# Altium PCB 脑电采集板V5.0.PcbDoc (part 1 of 2) (continued)
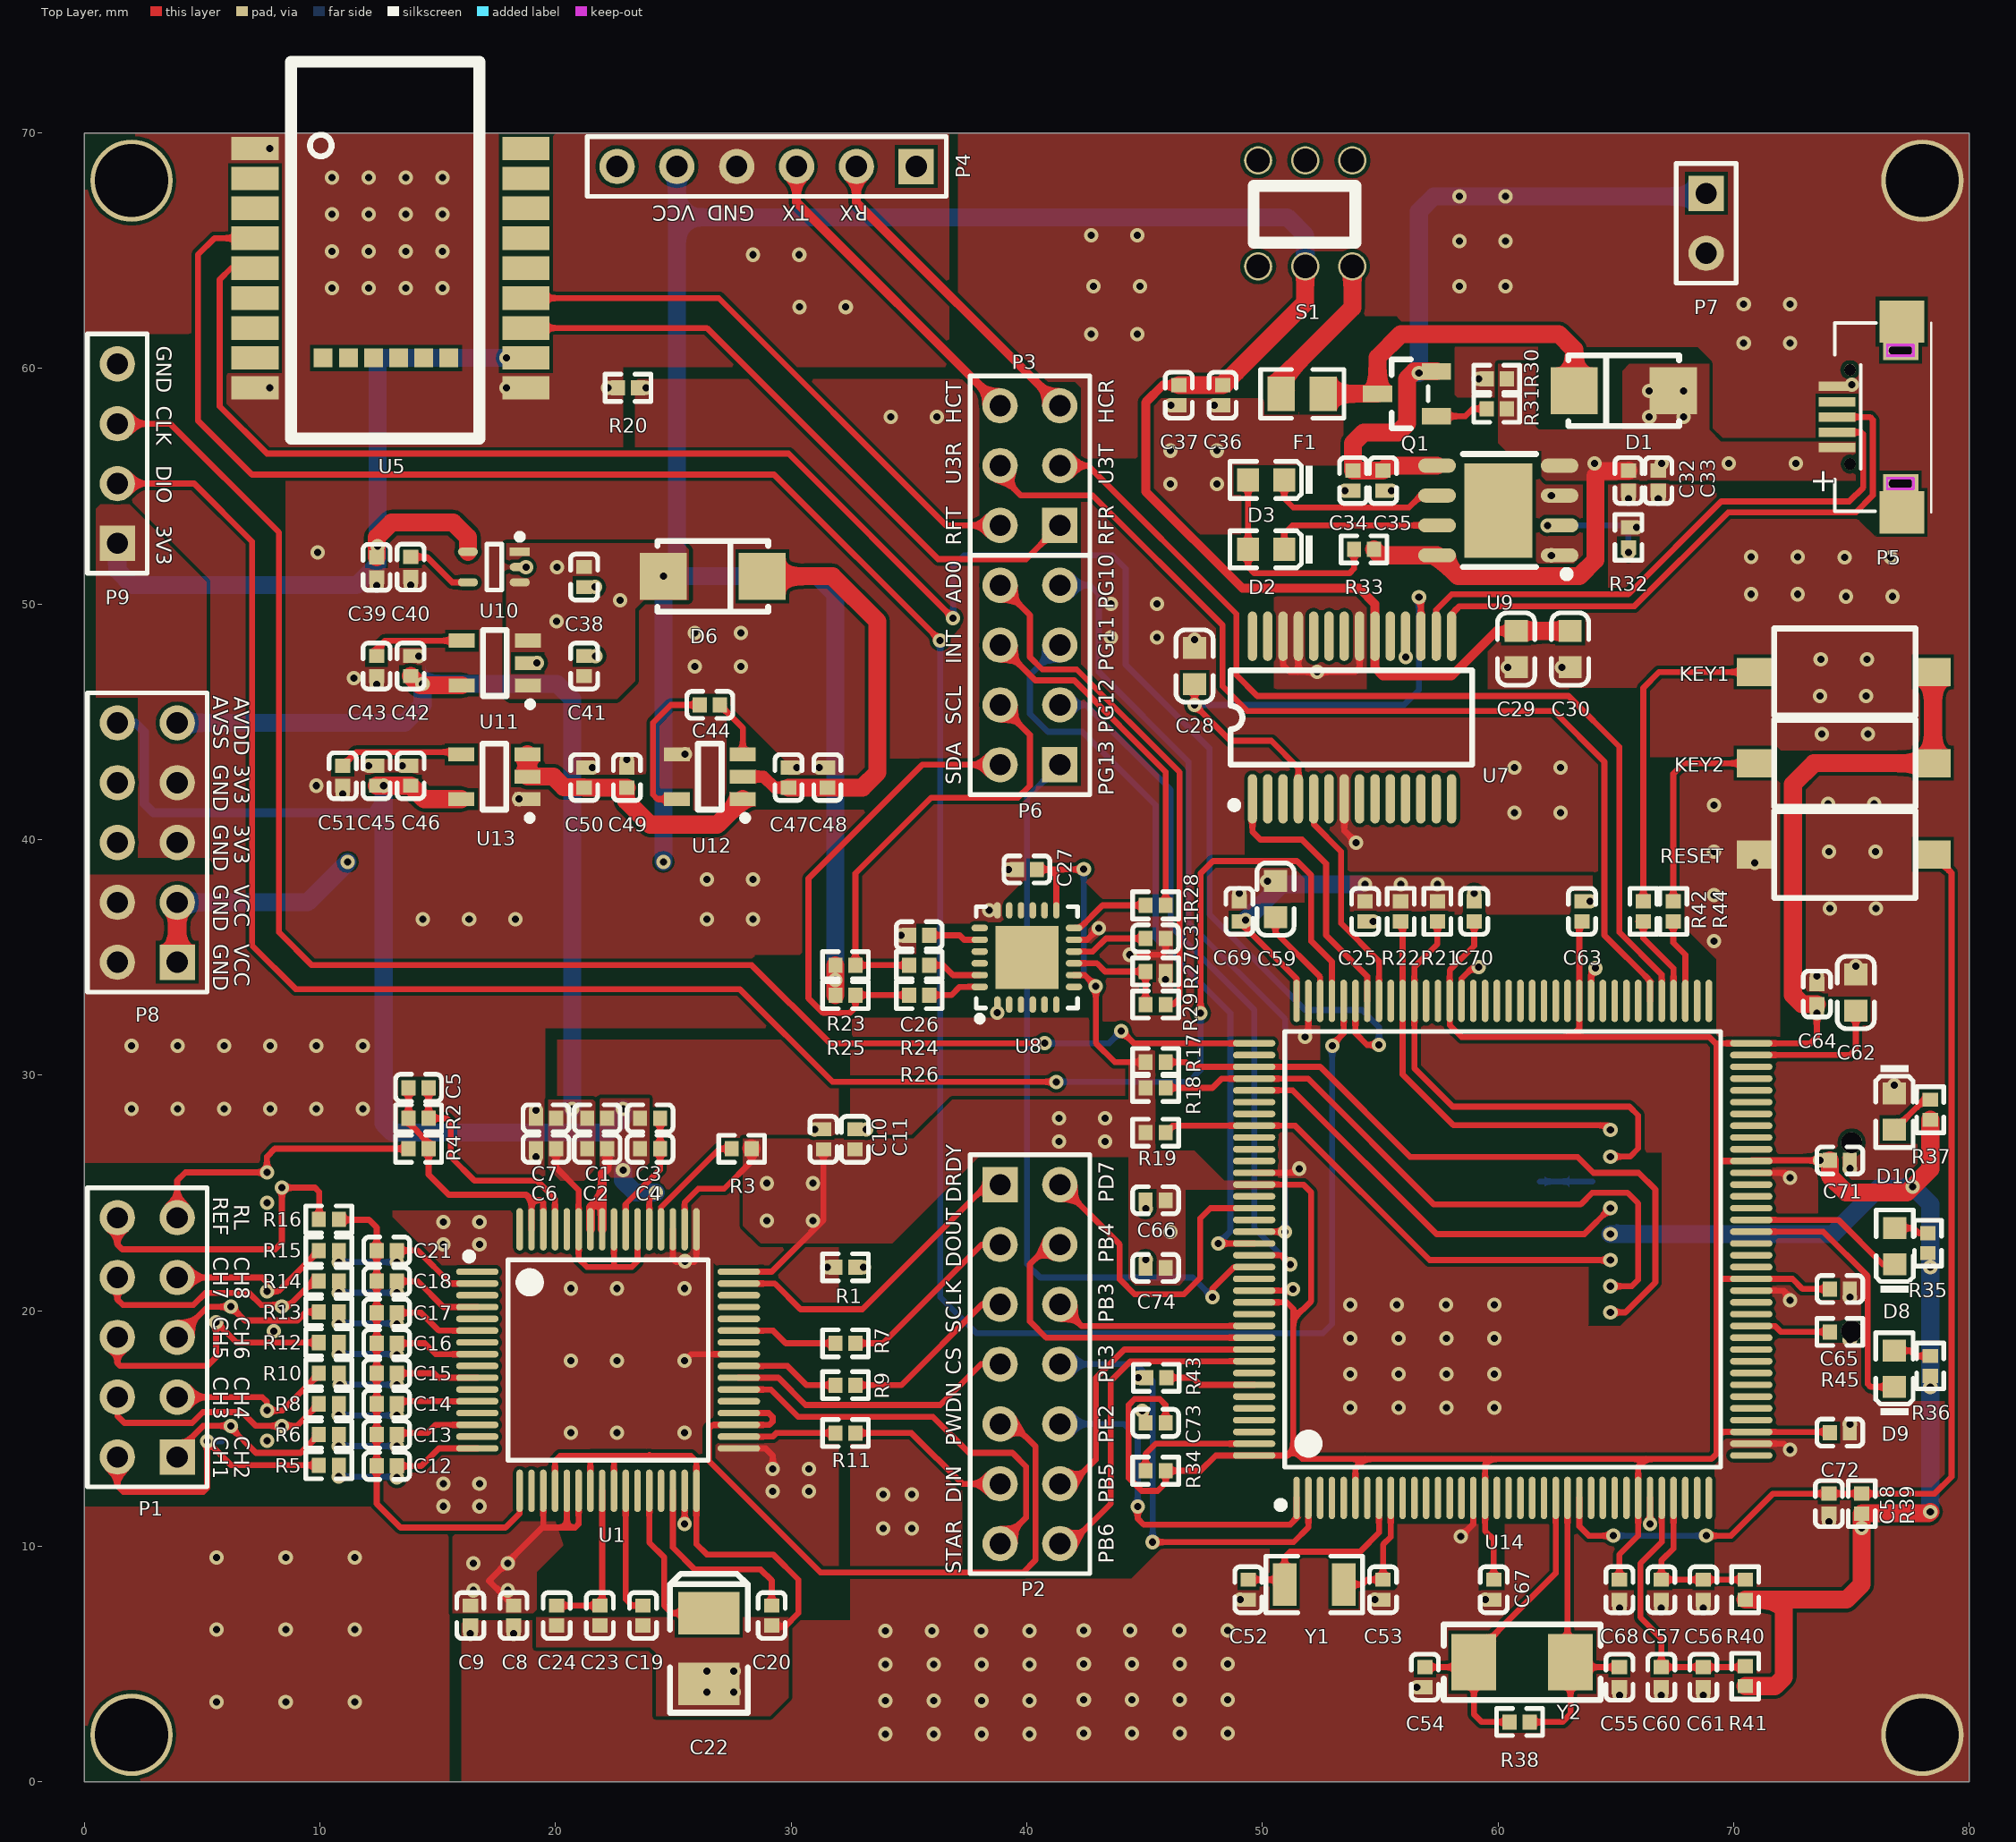
[diagram p0: Top Layer view]
## Footprints (in the part's own frame and the unit in brackets; to place one, negate y for a bottom-side part, rotate by r counter-clockwise, add the part's x,y. Pads: shape width x height; smd on the part's side, far side on the other; paste and mask are expansions set on the pad) (continued)
  oval 1.8x0.28 smd mask+0.051: 37(10.55,-8.75) 38(10.55,-8.25) 39(10.55,-7.75) 40(10.55,-7.25) 41(10.55,-6.75) 42(10.55,-6.25) 43(10.55,-5.75) 44(10.55,-5.25) 45(10.55,-4.75) 46(10.55,-4.25) 47(10.55,-3.75) 48(10.55,-3.25) 49(10.55,-2.75) 50(10.55,-2.25) 51(10.55,-1.75) 52(10.55,-1.25) 53(10.55,-0.75) 54(10.55,-0.25) 55(10.55,0.25) 56(10.55,0.75) 57(10.55,1.25) 58(10.55,1.75) 59(10.55,2.25) 60(10.55,2.75) 61(10.55,3.25) 62(10.55,3.75) 63(10.55,4.25) 64(10.55,4.75) 65(10.55,5.25) 66(10.55,5.75) 67(10.55,6.25) 68(10.55,6.75) 69(10.55,7.25) 70(10.55,7.75) 71(10.55,8.25) 72(10.55,8.75) 109(-10.55,8.75) 110(-10.55,8.25) 111(-10.55,7.75) 112(-10.55,7.25) 113(-10.55,6.75) 114(-10.55,6.25) 115(-10.55,5.75) 116(-10.55,5.25) 117(-10.55,4.75) 118(-10.55,4.25) 119(-10.55,3.75) 120(-10.55,3.25) 121(-10.55,2.75) 122(-10.55,2.25) 123(-10.55,1.75) 124(-10.55,1.25) 125(-10.55,0.75) 126(-10.55,0.25) 127(-10.55,-0.25) 128(-10.55,-0.75) 129(-10.55,-1.25) 130(-10.55,-1.75) 131(-10.55,-2.25) 132(-10.55,-2.75) 133(-10.55,-3.25) 134(-10.55,-3.75) 135(-10.55,-4.25) 136(-10.55,-4.75) 137(-10.55,-5.25) 138(-10.55,-5.75) 139(-10.55,-6.25) 140(-10.55,-6.75) 141(-10.55,-7.25) 142(-10.55,-7.75) 143(-10.55,-8.25) 144(-10.55,-8.75)
  silkscreen extent -9.57,-11 9.25,9.25
MICRO-USB [mm]
  rect 0.4x1.55 smd: 1(-1.3,2.2) 2(-0.65,2.2) 3(0,2.2) 4(0.65,2.2) 5(1.3,2.2)
  rect 1.8x1.9 smd: 6(-4.05,-0.55) 6(4.05,-0.55)
  rect 0.8x1.5 hole 0.4 slot 1 at 90 deg: 6(-2.825,-0.5) 6(2.825,-0.5)
  round 0.5 hole 0.5 unplated: ""(-2,1.65) ""(2,1.65)
  Keep-Out Layer lines w0.127: -3.054,0.075 -3.054,-1.043 -2.596,-1.043 -2.596,0.075 -3.054,0.075 ; 2.596,0.075 2.596,-1.043 3.054,-1.043 3.054,0.075 2.596,0.075
  silkscreen extent -4.05,-1.8 4,2.3, body extent -4.03,-3.3 4.03,2.28, height 3.13
nRF52832 [mm]
  rect 2x1 smd: 1(4.826,-4.699) 2(4.826,-3.429) 3(4.826,-2.159) 4(4.826,-0.889) 5(4.826,0.381) 6(4.826,1.651) 7(4.826,2.921) 8(4.826,4.191) 9(4.826,5.461) 16(-6.674,5.461) 17(-6.674,4.191) 18(-6.674,2.921) 19(-6.674,1.651) 20(-6.674,0.381) 21(-6.674,-0.889) 22(-6.674,-2.159) 23(-6.674,-3.429) 24(-6.674,-4.699)
  rect 0.8x0.8 smd: 10(1.93,4.191) 11(0.864,4.191) 12(-0.203,4.191) 13(-1.27,4.191) 14(-2.337,4.191) 15(-3.404,4.191)
  silkscreen extent -4.7,-8.38 3.3,7.62
QFN-24_4x4x05P [mm]
  rect 2.68x2.68 smd mask+0.051: 0(0,0)
  oval 0.28x0.7 smd mask+0.051: 1(-1.25,-2) 2(-0.75,-2) 3(-0.25,-2) 4(0.25,-2) 5(0.75,-2) 6(1.25,-2) 13(1.25,2) 14(0.75,2) 15(0.25,2) 16(-0.25,2) 17(-0.75,2) 18(-1.25,2)
  oval 0.7x0.28 smd mask+0.051: 7(2,-1.25) 8(2,-0.75) 9(2,-0.25) 10(2,0.25) 11(2,0.75) 12(2,1.25) 19(-2,1.25) 20(-2,0.75) 21(-2,0.25) 22(-2,-0.25) 23(-2,-0.75) 24(-2,-1.25)
  silkscreen extent -2.15,-2.72 2.15,2.15
SC-70-5 [mm]
  rect 0.85x0.35 smd: 1(0,0)
  oval 0.85x0.35 smd: 2(0,0.65) 3(0,1.3) 4(2.2,1.3) 5(2.2,0)
  silkscreen extent -0.13,-0.76 1.4,1.63
SMA(DO-214AC)_S1 [mm]
  rect 2x2 smd: 1(2.1,0) 2(-2.1,0)
  silkscreen extent -2.35,-1.5 2.35,1.5
"SMD-3215_2P FC - 135" [mm]
  rect 1x1.8 smd: 1(-1.25,0) 2(1.25,0)
  silkscreen extent -2.05,-1.2 2.05,1.2
SMD-5032_2P [mm]
  rect 1.9x2.4 smd: 1(-2.05,0) 2(2.05,0)
  silkscreen extent -3.32,-1.6 3.32,1.6
SOD-123 [mm]
  rect 1.25x1 smd: 1(1.475,0) 2(-1.475,0)
  silkscreen extent -0.5,-0.7 0.5,0.7, body extent -1.85,-0.77 1.85,0.78, height 1.35
SOP-8_EP_150mil [mm]
  rect 4x2.9 smd: 0(0,0)
  oval 0.6x1.6 smd: 1(-1.905,-2.6) 2(-0.635,-2.6) 3(0.635,-2.6) 4(1.905,-2.6) 5(1.905,2.6) 6(0.635,2.6) 7(-0.635,2.6) 8(-1.905,2.6)
  silkscreen extent -2.85,-3.05 2.4,1.5
SOT-23(SOT-23-3) [mm]
  rect 1.25x0.7 smd: 1(1.25,-0.95) 2(1.25,0.95) 3(-1.25,0)
  silkscreen extent -0.65,-1.46 0.9,1.46, body extent -1.5,-1.5 1.5,1.5, height 1.3
SOT-23-5 [mm]
  rect 1.1x0.6 smd: 1(1.4,-0.95) 2(1.4,0) 3(1.4,0.95) 4(-1.4,0.95) 5(-1.4,-0.95)
  silkscreen extent -0.5,-1.87 1.63,1.4
SSOP-28_208mil [mm]
  oval 0.4x2.1 smd mask+0.051: 1(-4.225,-3.45) 2(-3.575,-3.45) 3(-2.925,-3.45) 4(-2.275,-3.45) 5(-1.625,-3.45) 6(-0.975,-3.45) 7(-0.325,-3.45) 8(0.325,-3.45) 9(0.975,-3.45) 10(1.625,-3.45) 11(2.275,-3.45) 12(2.925,-3.45) 13(3.575,-3.45) 14(4.225,-3.45) 15(4.225,3.45) 16(3.575,3.45) 17(2.925,3.45) 18(2.275,3.45) 19(1.625,3.45) 20(0.975,3.45) 21(0.325,3.45) 22(-0.325,3.45) 23(-0.975,3.45) 24(-1.625,3.45) 25(-2.275,3.45) 26(-2.925,3.45) 27(-3.575,3.45) 28(-4.225,3.45)
  silkscreen extent -5.15,-3.86 5.1,2
TF_1 [mm]
  round 0.9 hole 0.9 unplated: 0(-0.8,11) 0(7.2,11)
  rect 0.85x2 smd: 1(0,0)
  rect 0.8x2 smd: 2(1.15,0) 3(2.25,0) 4(3.35,0) 5(4.45,0) 6(5.55,0) 7(6.65,0) 8(7.75,0) 9(8.85,0)
  rect 1.5x2 smd: 10(-5.5,10.6) 12(10.45,1)
  rect 2x2 smd: 11(-4.8,1)
  rect 1.4x2 smd: 13(10,10.6)
  silkscreen extent -4.87,0.36 9.49,16, body extent -5.85,0 10.25,15, height 1.85
TPD4 [mm]
  rect 0.85x0.35 smd: 1(0,0)
  oval 0.85x0.35 smd: 2(0,-0.65) 3(0,-1.3) 4(2.2,-1.3) 5(2.2,-0.65) 6(2.2,0)
  silkscreen extent -0.13,-1.63 1.4,0.76

## Part data
C1 C2 C3 C4 C5 C6 C7 C8 C9 C10 C11 C19 C20 C24 C46 C48 C50: library part "0603 10nF (103) 10% 50V", "贴片电容", Package=0603, SuppliersPartNumber=C57112, ComponentLink1Description=¹©Ó, ComponentLink1URL=http://www.szlcsc.com/product/details_58143.html, Supplier=LC
C12 C13 C14 C15 C16 C17 C18 C21: library part "0402 1nF (102) 10% 50V", "贴片电容", Package=0402, SuppliersPartNumber=C1523, ComponentLink1Description=¹©Ó, ComponentLink1URL=http://www.szlcsc.com/product/details_1875.html, Supplier=LC
C22: library part "3528 100uF (107) 10% 6.3V", "钽电容", Package=3528, SuppliersPartNumber=C16133, ComponentLink1Description=¹©Ó, ComponentLink1URL=http://www.szlcsc.com/product/details_16815.html, Supplier=LC
C23 C56 C60: library part "0603 10uF (106) 10% 10V", "贴片电容", Package=0603, SuppliersPartNumber=C19702, ComponentLink1Description=¹©Ó, ComponentLink1URL=http://www.szlcsc.com/product/details_20411.html, Supplier=LC
C25 C27 C31 C32 C35 C36: library part "0402 100nF (104) 10% 16V", "贴片电容", Package=0402, SuppliersPartNumber=C1525, ComponentLink1Description=¹©Ó, ComponentLink1URL=http://www.szlcsc.com/product/details_1877.html, Supplier=LC
C26 C33 C34 C37: library part "0402 10uF (106) 20% 6.3V", "贴片电容", Package=0402, SuppliersPartNumber=C15525, ComponentLink1Description=¹©Ó, ComponentLink1URL=http://www.szlcsc.com/product/details_16204.html, Supplier=LC
C28 C29 C57 C58 C61 C63 C64 C65 C66 C67 C68 C69 C70 C71 C72 C73 C74: library part "0603 100nF (104) 10% 50V", "贴片电容", Package=0603, SuppliersPartNumber=C14663, ComponentLink1Description=¹©Ó, ComponentLink1URL=http://www.szlcsc.com/product/details_15331.html, Supplier=LC
C30: library part "0603 4.7uF (475) 10% 16V", "贴片电容", Package=0603, SuppliersPartNumber=C19666, ComponentLink1Description=¹©Ó, ComponentLink1URL=http://www.szlcsc.com/product/details_20375.html, Supplier=LC
C38 C39 C41 C42 C44 C45 C47 C49: library part "0603 1uF (105) 10% 50V", "贴片电容", Package=0603, SuppliersPartNumber=C15849, ComponentLink1Description=¹©Ó, ComponentLink1URL=http://www.szlcsc.com/product/details_16531.html, Supplier=LC
C40 C43 C51: library part "0603 1nF (102) 10% 50V", "贴片电容", Package=0603, SuppliersPartNumber=C1588, ComponentLink1Description=¹©Ó, ComponentLink1URL=http://www.szlcsc.com/product/details_1940.html, Supplier=LC
C52 C53: library part "0603 10pF (100) 5% 50V", "贴片电容", Package=0603, SuppliersPartNumber=C1634, ComponentLink1Description=¹©Ó, ComponentLink1URL=http://www.szlcsc.com/product/details_1986.html, Supplier=LC
C54 C55: library part "0603 22pF (220) 5% 50V", "贴片电容", Package=0603, SuppliersPartNumber=C1653, ComponentLink1Description=¹©Ó, ComponentLink1URL=http://www.szlcsc.com/product/details_2005.html, Supplier=LC
C59 C62: library part "0603 2.2uF (225) 10% 16V", "贴片电容", Package=0603, SuppliersPartNumber=C23630, ComponentLink1Description=¹©Ó, ComponentLink1URL=http://www.szlcsc.com/product/details_24366.html, Supplier=LC
D1 D6: library part "SMA(DO-214AC) SS210", "二极管", Package=SMA(DO-214AC), SuppliersPartNumber=C14996, ComponentLink1Description=¹©Ó, ComponentLink1URL=http://www.szlcsc.com/product/details_15669.html, Supplier=LC
D2 D10: library part "0603 红灯", "发光二极管", Package=0603, SuppliersPartNumber=C2286, ComponentLink1Description=¹©Ó, ComponentLink1URL=http://www.szlcsc.com/product/details_2659.html, Supplier=LC
D3 D8 D9: library part "0603 绿灯", "发光二极管", Package=0603, SuppliersPartNumber=C72043, ComponentLink1Description=¹©Ó, ComponentLink1URL=http://www.szlcsc.com/product/details_73152.html, Supplier=LC
D4 D5 D7: library part "SOD-123 B5819W  SL", "肖特基二极管", Package=SOD-123, SuppliersPartNumber=C8598, ComponentLink1Description=¹©Ó, ComponentLink1URL=http://www.szlcsc.com/product/details_9093.html, Supplier=LC
F1: library part "Fuse 2", "Fuse", LatestRevisionDate=17-Jul-2002, LatestRevisionNote="Re-released for DXP Platform.", PackageDescription="Thru-Hole; 2 Leads", PackageReference=PIN-W2/E2.8, Published=8-Jun-2000, Publisher="Altium Limited"
KEY1 KEY2 RESET S1: "Switch", LatestRevisionDate=17-Jul-2002, LatestRevisionNote="Re-released for DXP Platform.", PackageDescription="Switch; 2 Leads", PackageReference=SPST-2, Published=24-Mar-1999, Publisher="Altium Limited"
P1 P8: library part "Header 5X2", "Header, 5-Pin, Dual row", LatestRevisionDate=17-Jul-2002, LatestRevisionNote="Re-released for DXP Platform.", Publisher="Altium Limited"
P2: "Header, 7-Pin, Dual row", LatestRevisionDate=17-Jul-2002, LatestRevisionNote="Re-released for DXP Platform.", Publisher="Altium Limited"
P3: library part "Header 3X2", "Header, 3-Pin, Dual row", LatestRevisionDate=17-Jul-2002, LatestRevisionNote="Re-released for DXP Platform.", Publisher="Altium Limited"
P4: library part "Header 6", "Header, 6-Pin", LatestRevisionDate=17-Jul-2002, LatestRevisionNote="Re-released for DXP Platform.", Publisher="Altium Limited"
P5: library part "Header 5", "Header, 5-Pin", LatestRevisionDate=17-Jul-2002, LatestRevisionNote="Re-released for DXP Platform.", Publisher="Altium Limited"
P6: "Header, 4-Pin, Dual row", LatestRevisionDate=17-Jul-2002, LatestRevisionNote="Re-released for DXP Platform.", Publisher="Altium Limited"
P7: library part "Header 2", "Header, 2-Pin", LatestRevisionDate=17-Jul-2002, LatestRevisionNote="Re-released for DXP Platform.", Publisher="Altium Limited"
P9: library part "Header 4", "Header, 4-Pin", LatestRevisionDate=17-Jul-2002, LatestRevisionNote="Re-released for DXP Platform.", Publisher="Altium Limited"
Q1: "MOS(场效应管)", Package=SOT-23(SOT-23-3), SuppliersPartNumber=C8492, ComponentLink1Description=¹©Ó, ComponentLink1URL=http://www.szlcsc.com/product/details_8986.html, Supplier=LC
R1 R7 R9 R11 R20: library part "0402 0Ω (0R0) 1%", "贴片电阻", Package=0402, SuppliersPartNumber=C17168, ComponentLink1Description=¹©Ó, ComponentLink1URL=http://www.szlcsc.com/product/details_17853.html, Supplier=LC
R2 R4: library part "0603 100KΩ (1003) 1%", "贴片电阻", Package=0603, SuppliersPartNumber=C25803, ComponentLink1Description=¹©Ó, ComponentLink1URL=http://www.szlcsc.com/product/details_26546.html, Supplier=LC
R3: library part "0603 10KΩ (1002) 1%", "贴片电阻", Package=0603, SuppliersPartNumber=C25804, ComponentLink1Description=¹©Ó, ComponentLink1URL=http://www.szlcsc.com/product/details_26547.html, Supplier=LC
R5 R6 R8 R10 R12 R13 R14 R15 R16: library part "0402 2.2KΩ (2201) 1%", "贴片电阻", Package=0402, SuppliersPartNumber=C25879, ComponentLink1Description=¹©Ó, ComponentLink1URL=http://www.szlcsc.com/product/details_26622.html, Supplier=LC
R17 R18 R19 R21 R22: library part "0402 47KΩ (4702) 1%", "贴片电阻", Package=0402, SuppliersPartNumber=C25792, ComponentLink1Description=¹©Ó, ComponentLink1URL=http://www.szlcsc.com/product/details_26535.html, Supplier=LC
R23 R25: library part "0402 4.7KΩ (4701) 1%", "贴片电阻", Package=0402, SuppliersPartNumber=C25900, ComponentLink1Description=¹©Ó, ComponentLink1URL=http://www.szlcsc.com/product/details_26643.html, Supplier=LC
R24 R26 R28 R29: library part "0402 120Ω (1200) 1%", "贴片电阻", Package=0402, SuppliersPartNumber=C25079, ComponentLink1Description=¹©Ó, ComponentLink1URL=http://www.szlcsc.com/product/details_25822.html, Supplier=LC
R27: library part "0402 10KΩ (1002) 1%", "贴片电阻", Package=0402, SuppliersPartNumber=C25744, ComponentLink1Description=¹©Ó, ComponentLink1URL=http://www.szlcsc.com/product/details_26487.html, Supplier=LC
R30 R31: library part "0402 100KΩ (1003) 1%", "贴片电阻", Package=0402, SuppliersPartNumber=C25741, ComponentLink1Description=¹©Ó, ComponentLink1URL=http://www.szlcsc.com/product/details_26484.html, Supplier=LC
R32: library part "0402 1.2KΩ (1201) 1%", "贴片电阻", Package=0402, SuppliersPartNumber=C25862, ComponentLink1Description=¹©Ó, ComponentLink1URL=http://www.szlcsc.com/product/details_26605.html, Supplier=LC
R33: library part "0402 1KΩ (1001) 1%", "贴片电阻", Package=0402, SuppliersPartNumber=C11702, ComponentLink1Description=¹©Ó, ComponentLink1URL=http://www.szlcsc.com/product/details_12256.html, Supplier=LC
R34: library part "0603 0Ω (0R0) 1%", "贴片电阻", Package=0603, SuppliersPartNumber=C21189, ComponentLink1Description=¹©Ó, ComponentLink1URL=http://www.szlcsc.com/product/details_21903.html, Supplier=LC
R35 R36: library part "0603 510Ω (5100) 1%", "贴片电阻", Package=0603, SuppliersPartNumber=C23193, ComponentLink1Description=¹©Ó, ComponentLink1URL=http://www.szlcsc.com/product/details_23920.html, Supplier=LC
R37: library part "0603 1KΩ (1001) 1%", "贴片电阻", Package=0603, SuppliersPartNumber=C21190, ComponentLink1Description=¹©Ó, ComponentLink1URL=http://www.szlcsc.com/product/details_21904.html, Supplier=LC
R38: library part "0603 1.2MΩ (1204) 1%", "贴片电阻", Package=0603, SuppliersPartNumber=C22766, ComponentLink1Description=¹©Ó, ComponentLink1URL=http://www.szlcsc.com/product/details_23493.html, Supplier=LC
R39 R40 R41 R42 R43 R44 R45: library part "0603 10Ω (10R0) 1%", "贴片电阻", Package=0603, SuppliersPartNumber=C22859, ComponentLink1Description=¹©Ó, ComponentLink1URL=http://www.szlcsc.com/product/details_23586.html, Supplier=LC
U7: library part FT232RL-REEL_[C8690], "USB", Package=SSOP-28_208mil, SuppliersPartNumber=C8690, ComponentLink1Description=¹©Ó, ComponentLink1URL=http://www.szlcsc.com/product/details_9194.html, Supplier=LC
U8: library part MPU-6050_[C24112], "传感器", Package=QFN-24_4x4x05P, SuppliersPartNumber=C24112, ComponentLink1Description=¹©Ó, ComponentLink1URL=http://www.szlcsc.com/product/details_24852.html, Supplier=LC
U9: library part TP4056_[C16581], "电池电源管理", Package=SOP-8_EP_150mil, SuppliersPartNumber=C16581, ComponentLink1Description=¹©Ó, ComponentLink1URL=http://www.szlcsc.com/product/details_17264.html, Supplier=LC
U14: "ARM", Package=LQFP-144_20x20x05P, SuppliersPartNumber=C46525, ComponentLink1Description=¹©Ó, ComponentLink1URL=http://www.szlcsc.com/product/details_47529.html, Supplier=LC
Y1: library part "SMD-3215_2P 32.768KHz 20ppm 12.5pF", "贴片晶振", Package=SMD-3215_2P, SuppliersPartNumber=C32346, ComponentLink1Description=¹©Ó, ComponentLink1URL=http://www.szlcsc.com/product/details_33310.html, Supplier=LC
Y2: library part "SMD-5032_2P 8MHz 20ppm 20pF", "贴片晶振", Package=SMD-5032_2P, SuppliersPartNumber=C115962, ComponentLink1Description=¹©Ó, ComponentLink1URL=http://www.szlcsc.com/product/details_117214.html, Supplier=LC

## Free pads (board coordinates)
  round 3.5 hole 3.1: 1(2,2) 1(2,67.977) 1(78.01,2) 1(78.01,67.977)

## Via types
v1: diameter 0.61, hole 0.305, Top Layer to Bottom Layer, tented both sides, 386 vias

## Nets (pads, with @x,y where several pads share a name; then routed paths per layer and width w, separated by ;. In a path a pad name is that pad's centre, name@x,y a point inside that pad or via, vN(x,y) a via of type N, cw(c..) or ccw(c..) an arc to the next point about the centre after c; other vN are vias at no path point)
3V3: C28.2 U7.4 U7.17 | length 23.1
  Top Layer w0.254: C28.2@47.117,46.601 v1(47.117,45.72) 48.641,44.196 50.375,44.196 51.524,43.047 U7.4@51.524,41.735 ; v1(56.642,50.292) 56.724,50.21 U7.17@56.724,48.635
  Bottom Layer w0.254: v1(47.117,45.72) 56.007,45.72 56.642,46.355 v1(56.642,50.292)
AGND: C6.2 C7.2 C8.2 C9.2 C25.1 C26.2 C27.2 C28.1 C29.1 C30.1 C31.1 C32.1 C33.1 C34.1 C35.1 C36.1 C37.1 C38.1 C39.1 C40.1 C41.1 C42.1 C43.1 C45.2 C46.1 C47.2 C48.1 C49.2 C50.1 C51.1 C52.1 C53.1 C54.1 C55.1 C56.2 C57.2 C58.1 C59.1 C60.1 C61.1 C62.1 C63.1 C64.1 C65.1 C66.1 C67.1 C68.1 C69.1 C70.1 C71.1 C72.1 C73.1 C74.1 D4.1 D5.1 D7.2 D10.K P5.5 P7.2 P8.2 P8.4 P8.6 P8.8 P9.4 pad.1@78.01,2 pad.1@78.01,67.977 R1.2 R20.1 R27.2 R30.2 R32.1 R43.1 R45.1 RESET.2 U2.3 U3.3 U4.3 U6.6 U7.7 U7.18 U7.21 U7.25 U7.26 U8.1 U8.11 U8.18 U9.1 U9.3 U10.2 U11.2 U12.4 U13.1 U14.16 U14.31 U14.38 U14.51 U14.61 U14.83 U14.94 U14.107 U14.120 U14.130 | length 56.3
  Top Layer w0.254: v1(10.962,41.942) C51.1@10.962,42.291 ; v1(12.054,43.141) C45.2@12.402,43.141 ; v1(12.402,46.597) C43.1@12.402,46.946 ; v1(12.402,50.788) C39.1@12.402,51.137 ; v1(13.494,43.141) C46.1@13.843,43.141 ; C42.1@13.843,47.796 v1(14.192,47.796) ; v1(13.843,50.8) C40.1@13.843,51.149 ; v1(16.383,6.287) C9.2@16.383,6.636 ; v1(18.215,6.287) C8.2@18.215,6.636 ; v1(18.45,41.722) U13.1@18.799,41.722 ; v1(19.168,26.529) C6.2@19.168,26.878 ; C7.2@19.168,28.171 v1(19.168,28.52) ; C50.1@21.209,43.061 v1(21.558,43.061) ; C41.1@21.209,47.796 v1(21.686,47.796) ; C38.1@21.209,50.724 v1(21.666,50.724) ; C49.2@23.027,43.061 v1(23.027,43.41) ; R20.1@23.495,59.182 v1(23.844,59.182) ; U12.4@25.143,43.622 v1(25.492,43.622) ; C47.2@29.885,43.061 v1(30.234,43.061) ; v1(31.187,43.061) C48.1@31.536,43.061 ; R1.2@32.726,21.844 v1(33.075,21.844) ; v1(34.659,35.941) C26.2@35.008,35.941 ; v1(38.401,37) U8.18@38.75,37 ; v1(38.75,32.651) U8.1@38.75,33 ; v1(39.226,38.735) C27.2@39.575,38.735 ; U8.11@42,35.75 42.553,35.75 v1(43.053,36.25) ; v1(44.358,35.112) 45.72,35.112 45.891,35.283 C31.1@45.891,35.807 ; v1(44.72,17.157) R43.1@45.068,17.157 ; v1(44.895,15.748) 45.041,15.601 C73.1@45.041,15.24 ; C74.1@45.041,21.819 v1(45.041,22.167) ; v1(45.041,24.34) C66.1@45.041,24.689 ; v1(45.891,34.055) R27.2@45.891,34.404 ; v1(46.103,58.443) C37.1@46.452,58.443 ; C28.1@47.117,48.141 v1(47.117,48.49) ; v1(47.961,58.443) C36.1@48.31,58.443 ; C69.1@49.022,37.382 v1(49.022,37.731) ; v1(49.054,7.732) C52.1@49.403,7.732 ; U14.130@49.648,20.856 51.222,20.856 v1(51.289,20.923) ; U14.120@49.648,25.856 51.383,25.856 v1(51.562,26.035) ; v1(50.205,38.243) C59.1@50.554,38.243 ; U7.26@50.874,48.635 50.874,47.411 51.168,47.117 51.524,47.117 ; U7.25@51.524,48.635 51.524,47.117 ; v1(51.816,31.623) 51.948,31.755 U14.107@51.948,33.156 ; U7.7@53.474,41.735 53.474,40.379 v1(53.975,39.878) ; v1(53.499,54.82) C34.1@53.848,54.82 ; U7.21@54.124,48.635 54.124,47.321 53.92,47.117 51.524,47.117 ; C25.1@54.356,36.531 v1(54.705,36.531) ; v1(54.769,7.732) C53.1@55.118,7.732 ; C35.1@55.118,54.82 v1(55.467,54.82) ; v1(56.547,4.02) C54.1@56.896,4.02 ; v1(58.42,10.414) 58.948,10.942 U14.16@58.948,12.056 ; U14.94@58.448,33.156 58.448,34.1 58.939,34.591 v1(59.182,34.591) ; C70.1@58.987,37.381 v1(58.987,37.73) ; v1(59.17,59.563) R30.2@59.519,59.563 ; v1(59.468,7.732) C67.1@59.817,7.732 ; v1(60.42,47.321) C29.1@60.769,47.321 ; v1(62.263,52.07) U9.1@62.612,52.07 ; v1(62.263,54.61) U9.3@62.612,54.61 ; v1(62.708,47.321) C30.1@63.057,47.321 ; C63.1@63.564,37.381 v1(63.913,37.381) ; U14.83@63.948,33.156 63.948,34.357 v1(64.135,34.544) ; v1(65.151,3.671) C55.1@65.151,4.02 ; v1(65.151,7.383) C68.1@65.151,7.732 ; R32.1@65.532,53.257 v1(65.881,53.257) ; v1(65.532,54.471) C32.1@65.532,54.82 ; v1(66.448,10.942) U14.31@66.448,12.056 ; v1(66.802,54.471) C33.1@66.802,54.82 ; v1(66.932,3.671) C60.1@66.932,4.02 ; v1(66.932,7.383) C57.2@66.932,7.732 ; v1(68.713,3.671) C61.1@68.713,4.02 ; v1(68.713,7.383) C56.2@68.713,7.732 ; U14.38@70.748,14.356 72.131,14.356 v1(72.39,14.097) ; U14.51@70.748,20.856 72.108,20.856 72.39,20.574 v1(72.39,20.447) ; U14.61@70.748,25.856 72.188,25.856 v1(72.39,25.654) ; v1(70.891,39.021) RESET.2@70.891,39.37 ; C64.1@73.533,33.87 v1(73.533,34.219) ; v1(74.041,11.037) C58.1@74.041,11.386 ; C72.1@74.93,14.827 v1(74.93,15.176) ; v1(74.93,18.753) R45.1@74.93,19.102 ; v1(74.93,20.574) C65.1@74.93,20.923 ; v1(74.93,26.035) C71.1@74.93,26.384 ; C62.1@75.184,34.278 v1(75.184,34.627) ; D10.K@76.823,29.229 v1(76.823,29.578)
  Bottom Layer w0.254: v1(8.042,19.134) U3.3@8.042,19.519 ; 61.765,25.484 U6.6@64.008,25.484
  other v1: 34.003,2.032 36.039,2.032 38.075,2.032 40.112,2.032 42.418,2.063 44.454,2.063 46.49,2.063 48.527,2.063 34.003,3.455 36.039,3.455 38.075,3.455 40.112,3.455 42.418,3.486 44.454,3.486 46.49,3.486 48.527,3.486 34.003,4.98 36.039,4.98 38.075,4.98 40.112,4.98 42.418,5.011 44.454,5.011 46.49,5.011 48.527,5.011 34.003,6.403 35.965,6.403 38.055,6.403 40.112,6.403 42.418,6.434 44.38,6.434 46.47,6.434 48.527,6.434 33.894,10.752 35.109,10.752 33.894,12.205 35.109,12.205 7.747,14.478 53.735,15.885 55.771,15.885 57.807,15.885 59.843,15.885 53.735,17.308 55.771,17.308 57.807,17.308 59.843,17.308 53.735,18.833 55.771,18.833 57.807,18.833 59.843,18.833 53.735,20.256 55.697,20.256 57.787,20.256 59.843,20.256 7.747,24.576 2,28.575 3.962,28.575 5.924,28.575 7.887,28.575 9.849,28.575 11.811,28.575 2,31.242 3.962,31.242 5.924,31.242 7.887,31.242 9.849,31.242 11.811,31.242 69.159,35.687 14.364,36.619 16.327,36.619 18.289,36.619 26.416,36.619 28.378,36.619 74.08,37.084 76.042,37.084 69.159,37.649 26.416,38.312 28.378,38.312 69.162,39.497 74.051,39.497 76.013,39.497 60.698,41.148 62.66,41.148 69.162,41.459 74.01,41.529 75.973,41.529 9.849,42.291 60.698,43.067 62.66,43.067 73.734,44.481 75.697,44.481 73.66,46.101 75.622,46.101 11.43,46.863 52.324,47.117 25.908,47.344 27.87,47.344 19.203,47.498 73.695,47.647 75.658,47.647 56.074,47.752 43.561,48.58 45.523,48.58 25.908,48.768 27.87,48.768 43.561,50.003 45.523,50.003 74.776,50.323 76.738,50.323 70.748,50.419 72.71,50.419 18.739,51.574 70.748,51.999 72.71,51.999 74.709,51.987 76.671,51.987 9.906,52.197 46.101,55.092 48.063,55.092 46.101,56.515 48.063,56.515 34.22,57.943 36.182,57.943 75.008,59.309 70.428,61.087 72.39,61.087 42.729,61.468 44.691,61.468 70.428,62.738 72.39,62.738 42.832,63.5 44.794,63.5 58.363,63.5 60.325,63.5 58.363,65.405 60.325,65.405 42.729,65.659 44.691,65.659 58.363,67.31 60.325,67.31
AIN1P: C12.2 R5.2 U1.16 | length 7.2
  Top Layer w0.254: v1(10.799,12.954) R5.2@10.799,13.443 ; v1(13.256,12.922) C12.2@13.256,13.411 14.3,13.411 15.046,14.157 U1.16@16.675,14.157
  Bottom Layer w0.254: v1(10.799,12.954) 13.224,12.954 v1(13.256,12.922)
AIN2P: C13.2 R6.2 U1.14 | length 7
  Top Layer w0.254: v1(10.799,14.256) R6.2@10.799,14.745 ; v1(13.256,14.256) C13.2@13.256,14.745 ; C13.2@13.256,14.808 14.554,14.808 14.903,15.157 U1.14@16.675,15.157
  Bottom Layer w0.254: v1(10.799,14.256) v1@13.224,14.256
AIN3P: C14.2 R8.2 U1.12 | length 6.9
  Top Layer w0.254: v1(10.799,15.557) R8.2@10.799,16.046 ; v1(13.256,15.558) C14.2@13.256,16.046 13.367,16.157 U1.12@16.675,16.157
  Bottom Layer w0.254: v1(10.799,15.557) v1@13.224,15.557
AIN4P: C15.2 R10.2 U1.10 | length 6.9
  Top Layer w0.254: v1(10.839,16.859) R10.2@10.839,17.348 ; v1(13.256,16.859) C15.2@13.256,17.348 14.843,17.348 15.034,17.157 U1.10@16.675,17.157
  Bottom Layer w0.254: v1(10.839,16.859) v1@13.264,16.859
AIN5P: C16.2 R12.2 U1.8 | length 7
  Top Layer w0.254: v1(10.799,18.161) R12.2@10.799,18.65 ; v1(13.256,18.129) C16.2@13.256,18.618 14.442,18.618 14.903,18.157 U1.8@16.675,18.157
  Bottom Layer w0.254: v1(10.799,18.161) v1@13.224,18.161
AIN6P: C17.2 R13.2 U1.6 | length 7.1
  Top Layer w0.254: v1(10.799,19.463) R13.2@10.799,19.952 ; v1(13.256,19.427) C17.2@13.256,19.916 14.291,19.916 15.05,19.157 U1.6@16.675,19.157
  Bottom Layer w0.254: v1(10.799,19.463) v1@13.224,19.463
AIN7P: C18.2 R14.2 U1.4 | length 7.3
  Top Layer w0.254: v1(10.799,20.764) R14.2@10.799,21.253 ; v1(13.256,20.764) C18.2@13.256,21.253 14.144,21.253 15.24,20.157 U1.4@16.675,20.157
  Bottom Layer w0.254: v1(10.799,20.764) v1@13.224,20.764
AIN8P: C21.2 R15.2 U1.2 | length 7.4
  Top Layer w0.254: v1(10.799,22.066) R15.2@10.799,22.555 ; v1(13.256,22.066) C21.2@13.256,22.555 14.148,22.555 15.546,21.157 U1.2@16.675,21.157
  Bottom Layer w0.254: v1(10.799,22.066) v1@13.224,22.066
AVDD: C1.1 C2.1 C6.1 C7.1 C8.1 C9.1 C42.2 D5.2 P8.9 U1.19 U1.21 U1.22 U1.54 U1.56 U1.59 U11.5 | length 59.5
  Top Layer w0.254: C8.1@18.215,7.486 17.422,8.278 17.168,8.532 19.475,10.839 U1.19@19.475,12.357 ; 19.475,10.795 20.475,10.795 ; C6.1@20.018,26.878 20.018,26.083 20.975,25.126 U1.59@20.975,23.457 20.975,22.205 21.324,21.856 22.479,21.856 ; U1.21@20.475,12.357 20.475,10.795 ; U1.22@20.975,12.357 20.975,10.942 20.828,10.795 20.475,10.795 ; U1.56@22.475,23.457 22.475,21.86 22.479,21.856 ; U1.54@23.475,23.457 23.475,22.104 23.227,21.856 22.479,21.856
  Top Layer w0.762: C42.2@13.843,46.946 14.241,46.548 U11.5@16.019,46.548
  Bottom Layer w0.762: P8.9@3.937,44.958 13.589,44.958 14.351,45.72 v1(14.351,46.609) 20.066,46.609 20.701,45.974 v1(20.701,28.575)
  other v1: 16.51,8.128 17.978,8.128 16.51,9.271 17.978,9.271
AVSS: C1.2 C2.2 C3.2 C4.2 C19.2 C20.2 C22.2 C23.1 C24.2 C45.1 C46.2 D7.1 P8.10 U1.20 U1.23 U1.25 U1.32 U1.53 U1.57 U1.58 U13.5 | length 74.6
  Top Layer w0.254: U1.20@19.975,12.357 19.975,13.625 20.193,13.843 21.463,13.843 ; U1.23@21.475,12.357 21.475,13.831 21.463,13.843 ; U1.25@22.475,12.357 22.475,13.839 22.479,13.843 ; 23.975,13.871 24.003,13.843 ; U1.53@23.975,23.457 23.975,24.737 v1(24.257,25.019) ; C20.2@29.17,6.636 29.202,6.604 29.742,6.604 30.302,7.164 30.302,8.584 29.234,9.652 26.416,9.652 25.975,10.093 U1.32@25.975,12.357 25.975,13.609 25.741,13.843 24.003,13.843 ; 21.463,13.843 22.479,13.843 ; 22.479,13.843 24.003,13.843
  Top Layer w0.381: U1.58@21.475,23.457 21.475,24.392 21.975,24.892 ; U1.57@21.975,23.457 21.975,24.892 ; C2.2@22.19,26.878 22.19,26.048 21.975,25.833 21.975,24.892
  Top Layer w0.762: C45.1@12.402,42.291 v1(12.7,42.291) C46.2@13.843,42.291 14.412,41.722 U13.5@15.999,41.722
  Bottom Layer w0.381: P8.10@1.397,44.958 2.159,44.958 2.54,44.577 2.54,41.529 2.921,41.148 12.192,41.148 12.7,41.656
  Bottom Layer w0.762: v1(12.7,42.291) 12.7,41.656 12.7,27.94 13.081,27.559 22.225,27.559 22.86,28.194 v1(22.86,28.575) ; v1(22.86,25.973) 22.86,25.527 23.368,25.019 v1(24.257,25.019)
  other v1: 26.416,3.81 27.559,3.81 26.416,4.699 27.559,4.699
BOOT0: R43.2 U14.138 | length 3.9
  Top Layer w0.254: R43.2@45.918,17.157 47.054,17.157 47.355,16.856 U14.138@49.648,16.856
BOOT1: R45.2 U14.48 | length 3.4
  Top Layer w0.254: U14.48@70.748,19.356 71.755,19.356 72.009,19.102 R45.2@74.08,19.102
C\S\: P2.7 U1.39 | length 12.3
  Top Layer w0.254: U1.39@27.775,17.157 29.452,17.157 30.607,16.002 36.322,16.002 38.053,17.733 P2.7@38.862,17.733
CH340_D+: P5.3 U7.15 | length 25.7
  Top Layer w0.254: U7.15@58.024,48.635 58.024,49.579 58.356,49.911 65.786,49.911 69.768,53.893 75.184,53.893 75.91,54.619 75.91,57.821 75.788,57.943 P5.3@74.389,57.943
CH340_D-: P5.2 U7.16 | length 24.8
  Top Layer w0.254: U7.16@57.374,48.635 57.374,49.754 58.039,50.419 65.532,50.419 69.469,54.356 74.905,54.356 75.503,54.955 75.503,57.212 75.422,57.293 P5.2@74.389,57.293
D\R\D\Y\: P2.1 U1.47 | length 13.7
  Top Layer w0.254: U1.47@27.775,21.157 29.302,21.157 30.393,20.066 33.02,20.066 38.307,25.353 P2.1@38.862,25.353
DGND: C10.2 C11.2 R1.1 U1.31 U1.33 U1.41 U1.49 U1.51 | length 10.8
  Top Layer w0.254: U1.51@24.975,23.457 24.975,22.205 25.114,22.066 25.876,22.066 25.975,22.165 U1.49@25.975,23.457 ; v1(25.475,10.942) U1.31@25.475,12.357 ; v1(25.475,17.883) 25.749,18.157 U1.41@27.775,18.157 ; U1.33@27.775,14.157 28.909,14.157 29.217,13.849 v1(29.217,13.288) ; v1(30.988,27.703) C10.2@31.369,27.703 ; v1(31.527,21.844) R1.1@31.876,21.844 ; C11.2@32.701,27.703 v1(33.178,27.703)
  other v1: 5.601,3.398 8.542,3.398 11.483,3.398 5.601,6.462 8.542,6.462 11.483,6.462 5.601,9.525 8.542,9.525 11.483,9.525 15.24,11.698 16.764,11.698 29.217,12.333 30.741,12.333 15.24,12.653 16.764,12.653 30.741,13.288 20.652,14.819 22.606,14.819 25.475,14.819 20.652,17.883 22.606,17.883 20.652,20.946 22.606,20.946 25.475,20.946 25.492,22.104 15.24,22.815 16.764,22.815 15.24,23.769 16.764,23.769
DIN: P2.11 R11.1 | length 7
  Top Layer w0.254: R11.1@32.726,14.808 35.103,14.808 37.258,12.653 P2.11@38.862,12.653
DOUT: P2.3 R7.1 | length 7.9
  Top Layer w0.254: R7.1@32.726,18.618 33.894,18.618 38.089,22.813 P2.3@38.862,22.813
HC05_RX: P3.5 P4.2 | length 13.7
  Top Layer w0.381: P4.2@32.766,68.58 32.766,67.056 P3.5@41.402,58.42
HC05_TX: P3.6 P4.3 | length 13.7
  Top Layer w0.381: P4.3@30.226,68.58 30.226,67.056 P3.6@38.862,58.42
IIC_SCL: P6.4 R23.2 R24.2 | length 19.1
  Top Layer w0.254: R24.2@35.008,34.671 R23.2@32.726,34.671 32.726,38.568 35.941,41.783 39.624,41.783 40.132,42.291 40.132,44.45 P6.4@38.862,45.72
IIC_SDA: P6.2 R25.2 R26.2 | length 20.4
  Top Layer w0.254: R26.2@35.008,33.401 R25.2@32.726,33.401 32.726,32.887 32.478,32.639 31.363,32.639 30.734,33.268 30.734,38.354 35.56,43.18 P6.2@38.862,43.18
IN1P: P1.2 R5.1 U2.4 | length 13
  Top Layer w0.254: P1.2@1.397,13.792 1.397,12.573 1.651,12.319 5.042,12.319 5.207,12.484 v1(5.207,14.463) 6.227,13.443 R5.1@9.949,13.443
  Bottom Layer w0.254: v1(5.207,14.463) U2.4@5.842,14.463
IN2P: P1.1 R6.1 U2.5 | length 7.5
  Top Layer w0.254: P1.1@3.937,13.792 3.937,14.019 5.031,15.113 v1(6.223,15.113) 6.223,15.023 7.276,13.97 9.174,13.97 R6.1@9.949,14.745
IN3P: P1.4 R8.1 U2.2 | length 10.3
  Top Layer w0.254: P1.4@1.397,16.332 1.397,15.538 1.695,15.24 4.572,15.24 5.029,15.697 6.692,15.697 7.276,15.113 v1(8.382,15.113) 9.016,15.113 R8.1@9.949,16.046
IN4P: P1.3 R10.1 U2.1 | length 7.1
  Top Layer w0.254: P1.3@3.937,16.332 7.544,16.332 7.747,16.129 v1(7.747,15.763) 8.404,15.763 9.949,17.308 R10.1@9.949,17.348
IN5P: P1.6 R12.1 U3.4 | length 11.7
  Top Layer w0.254: P1.6@1.397,18.872 1.397,17.78 1.52,17.657 5.211,17.657 5.588,18.034 v1(5.588,19.519) 6.458,18.65 R12.1@9.949,18.65
IN6P: P1.5 R13.1 U3.5 | length 7
  Top Layer w0.254: P1.5@3.937,18.872 3.937,18.885 5.222,20.169 v1(6.223,20.169) 6.807,19.585 9.044,19.585 9.411,19.952 R13.1@9.949,19.952
IN7P: P1.8 R14.1 U3.2 | length 10.5
  Top Layer w0.254: P1.8@1.397,21.412 1.397,20.48 1.633,20.244 4.623,20.244 5.133,20.754 6.995,20.754 7.505,20.244 8.308,20.244 v1(8.382,20.169) 8.633,20.169 9.717,21.253 R14.1@9.949,21.253
IN8P: P1.7 R15.1 U3.1 | length 7.2
  Top Layer w0.254: P1.7@3.937,21.412 7.544,21.412 7.747,21.209 v1(7.747,20.828) 8.222,20.828 R15.1@9.949,22.555
KEY1: R42.2 U14.76 | length 4
  Top Layer w0.254: R42.2@65.958,36.531 66.167,36.322 66.167,35.814 67.448,34.533 U14.76@67.448,33.156
KEY2: R44.2 U14.75 | length 3.6
  Top Layer w0.254: R44.2@67.437,36.531 67.437,35.623 67.948,35.112 U14.75@67.948,33.156
LED0: D8.K U14.57 | length 6.9
  Top Layer w0.254: U14.57@70.748,23.856 74.442,23.856 76.327,21.971 D8.K@76.835,21.971
LED1: D9.K U14.56 | length 11.5
  Top Layer w0.254: U14.56@70.748,23.356 73.799,23.356 75.692,21.463 75.692,16.891 75.819,16.764 D9.K@76.823,16.764
MPU_AD0: P6.8 R29.2 | length 22.2
  Top Layer w0.254: P6.8@38.862,50.8 40.132,49.53 40.132,47.752 40.653,47.231 42.117,47.231 46.482,42.866 46.482,33.274 46.208,33 R29.2@45.891,33
MPU_INT: P6.6 R28.1 | length 14.9
  Top Layer w0.254: P6.6@38.862,48.26 40.357,46.765 42.008,46.765 45.891,42.882 R28.1@45.891,37.211
NetC3_1: C3.1 C4.1 U1.55 | length 5.3
  Top Layer w0.254: U1.55@22.975,23.457 22.975,24.535 24.432,25.992 C3.1@24.432,28.171
NetC5_1: C5.1 R2.1 R4.2 U1.62 U1.63 | length 11.8
  Top Layer w0.254: C5.1@13.755,29.464 R2.1@13.755,28.171 13.755,27.977 14.605,27.127 R4.2@14.605,26.878 14.605,25.781 15.462,24.924 18.751,24.924 18.975,24.7 ; U1.63@18.975,23.457 18.975,24.7 ; U1.62@19.475,23.457 19.475,24.592 19.367,24.7 18.975,24.7
NetC5_2: C5.2 R2.2 U1.61 | length 10.2
  Top Layer w0.254: C5.2@14.605,29.464 R2.2@14.605,28.171 15.367,28.171 15.546,27.992 15.546,26.53 16.549,25.527 19.197,25.527 19.975,24.749 U1.61@19.975,23.457
NetC19_1: C19.1 U1.26 | length 5.5
  Top Layer w0.254: U1.26@22.975,12.357 22.975,7.747 23.236,7.486 C19.1@23.709,7.486
NetC20_1: C20.1 U1.30 | length 8.2
  Top Layer w0.254: U1.30@24.975,12.357 24.975,9.95 25.908,9.017 28.702,9.017 29.17,8.549 C20.1@29.17,7.486
NetC22_1: C22.1 U1.28 | length 7.2
  Top Layer w0.254: U1.28@23.975,12.357 23.975,10.16 24.61,9.525 24.61,7.477 24.923,7.164 C22.1@26.503,7.164
NetC23_2: C23.2 C24.1 U1.24 | length 6.7
  Top Layer w0.254: C24.1@20.046,7.486 C23.2@21.877,7.486 21.975,7.584 U1.24@21.975,12.357
NetC26_1: C26.1 U8.20 | length 2.2
  Top Layer w0.254: C26.1@35.858,35.941 37.147,35.941 37.338,35.75 U8.20@38,35.75
NetC31_2: C31.2 U8.10 | length 3.3
  Top Layer w0.254: U8.10@42,35.25 42.799,35.25 43.356,35.807 C31.2@45.041,35.807
NetC40_2: C40.2 U10.4 | length 2.9
  Top Layer w0.254: C40.2@13.843,51.999 14.534,51.999 15.609,50.924 U10.4@16.276,50.924
NetC43_2: C43.2 U11.4 | length 4.1
  Top Layer w0.254: C43.2@12.402,47.796 12.402,48.089 12.761,48.448 U11.4@16.019,48.448
NetC44_1: C44.1 U12.5 | length 6.4
  Top Layer w0.254: U12.5@25.143,41.722 24.318,41.722 24.13,41.91 24.13,44.958 24.892,45.72 C44.1@26.118,45.72
NetC44_2: C44.2 U12.3 | length 2.5
  Top Layer w0.254: C44.2@26.968,45.72 27.943,44.745 U12.3@27.943,43.622
NetC47_1: C47.1 C48.2 D6.2 U12.2 | length 18.3
  Top Layer w0.508: U12.2@27.943,42.672 28.829,42.672 29.29,42.211 C47.1@29.885,42.211
  Top Layer w0.762: D6.2@28.77,51.181 31.75,51.181 33.655,49.276 33.655,42.846 33.02,42.211 C47.1@29.885,42.211
NetC49_1: C49.1 C50.2 U12.1 U13.2 U13.3 | length 11.8
  Top Layer w0.762: U13.3@18.799,43.622 U13.2@18.799,42.672 19.906,42.672 20.351,42.228 21.192,42.228 C50.2@21.209,42.211 C49.1@23.027,42.211 22.987,42.171 22.987,41.656 24.003,40.64 26.861,40.64 U12.1@27.943,41.722
NetC51_2: C51.2 U13.4 | length 5.3
  Top Layer w0.254: C51.2@10.962,43.141 11.541,43.72 15.901,43.72 U13.4@15.999,43.622
NetC52_2: C52.2 U14.8 Y1.1 | length 8.7
  Top Layer w0.254: C52.2@49.403,8.582 50.747,8.582 Y1.1@50.947,8.382 50.947,9.545 51.175,9.773 54.143,9.773 54.948,10.578 U14.8@54.948,12.056